# Allegro board ZC7020-PCB.brd (continued)
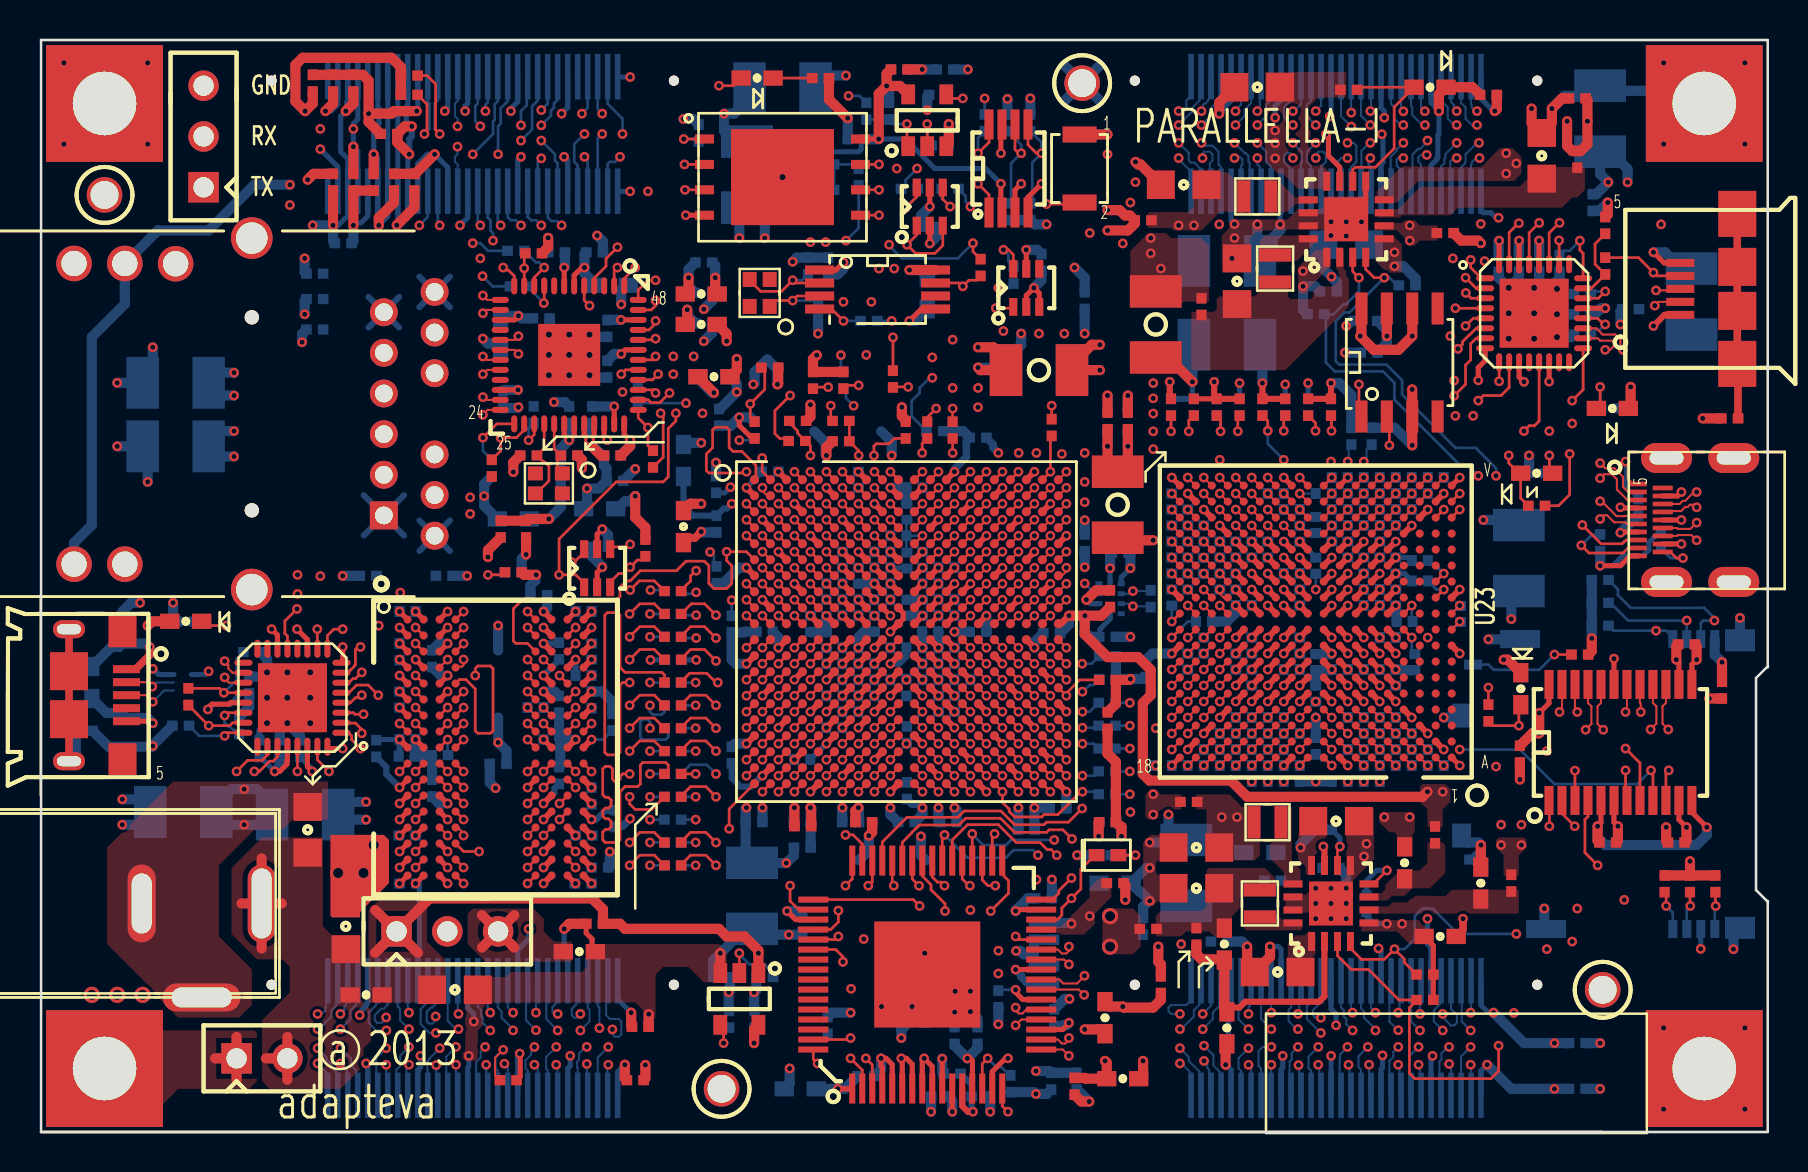
[diagram p0: board, top side]
## Routing (per net, layer and track width the routed paths; a pad name or vN(x,y) marks a point on that pad's centre or on a via; arc(x,y) is an arc through that point) (continued)
DDR_DQ16: length 21.8
  TOP w0.133: U20.M11 v1(25.99,16.43) ; U2.P1 v1(35.33,21.82)
  L10_SIG w0.108: v1(35.33,21.82) 32.44,21.82 31.96,21.34 31.3,21.34 30.81,21.82 30.25,21.82 30.17,21.73 29.33,21.73 29.09,21.5 29.09,21.17 27.95,20.02 24.06,20.02 23.93,20.15 23.93,20.32 23.8,20.45 23.44,20.45 23.31,20.32 23.31,19.07 23.17,18.92 22.91,18.92 22.79,18.8 22.79,18.29 22.91,18.16 23.8,18.16 23.93,18.03 23.93,17.02 24.12,16.83 25.58,16.83 v1(25.99,16.43)
DDR_DQ17: length 22.1
  TOP w0.133: U2.P3 v1(36.93,21.82) ; U20.M9 v1(24.39,16.43)
  L10_SIG w0.108: v1(24.39,16.43) 24.14,16.43 22.41,18.16 22.41,20.19 23.04,20.82 27.86,20.82 29.12,22.08 34.08,22.08 34.22,22.22 37.14,22.22 37.26,22.09 37.26,21.95 37.14,21.82 v1(36.93,21.82)
DDR_DQ18: length 21.7
  TOP w0.133: U2.R3 v1(36.93,21.02) ; U20.N11 v1(25.99,15.63)
  L10_SIG w0.108: v1(36.93,21.02) 36.93,21.29 36.81,21.42 35.97,21.42 35.74,21.18 35.74,20.86 35.5,20.62 32.18,20.62 32.06,20.49 32.06,19.56 31.93,19.43 31.42,19.43 31.3,19.56 31.3,20.46 31.17,20.59 30.25,20.59 30.11,20.45 30.11,19.94 29.97,19.8 28.99,19.8 27.99,18.8 26.85,18.8 26.6,18.54 26.34,18.54 26.09,18.8 25.71,18.8 25.58,18.67 25.58,18.16 25.71,18.03 26.22,18.03 26.62,17.63 27,17.63 27.19,17.44 27.19,16.34 26.77,15.92 26.34,15.92 26.24,15.82 26.18,15.82 v1(25.99,15.63)
DDR_DQ19: length 21.7
  TOP w0.133: U20.N9 v1(24.39,15.63) ; U2.R1 v1(35.33,21.02)
  L10_SIG w0.108: v1(35.33,21.02) 34.48,21.02 34.34,20.88 29.31,20.88 28.12,19.68 28.12,19.43 27.87,19.18 26.47,19.18 26.34,19.3 26.34,19.56 26.22,19.68 25.83,19.68 25.71,19.56 25.71,19.3 25.58,19.18 23.93,19.18 23.8,19.05 23.8,18.67 23.93,18.54 24.66,18.54 24.79,18.41 24.79,17.76 24.92,17.63 26.22,17.63 26.34,17.5 26.34,16.94 26.47,16.81 26.47,16.35 26.15,16.03 24.79,16.03 v1(24.39,15.63)
DDR_DQ20: length 22
  TOP w0.133: U20.R11 v1(26.79,14.03) ; U2.T4 v1(37.73,20.22)
  L10_SIG w0.108: v1(26.79,14.03) 25.83,14.03 25.71,13.9 25.71,12.96 25.83,12.83 28.12,12.83 28.25,12.96 28.25,13.08 28.37,13.21 28.76,13.21 29.31,13.77 31.17,13.77 31.3,13.89 31.3,15.11 31.42,15.24 31.8,15.24 32.62,16.05 33.71,16.05 34.34,16.69 34.34,16.94 34.57,17.17 34.83,17.17 34.98,17.02 35.23,17.02 35.36,17.14 35.36,17.28 35.73,17.65 35.73,17.82 35.74,17.83 35.74,18.08 35.87,18.22 36.12,18.22 36.13,18.22 36.38,18.22 36.53,18.38 36.53,18.62 36.54,18.63 36.54,19.58 36.77,19.82 38.03,19.82 38.14,19.93 38.14,20.46 38.03,20.57 37.86,20.57 37.73,20.45 v1(37.73,20.22)
DDR_DQ21: length 22.2
  TOP w0.133: U2.U4 v1(37.73,19.42) ; U20.T9 v1(24.39,13.23)
  L10_SIG w0.108: v1(24.39,13.23) 23.8,12.64 23.8,11.99 24.44,11.35 29.69,11.35 32.06,13.72 32.06,14.3 32.63,14.88 32.66,14.88 32.69,14.91 33.46,14.91 34.38,15.82 35.5,15.82 35.73,16.05 35.73,16.38 35.97,16.62 36.29,16.62 36.53,16.85 36.53,17.18 36.77,17.42 37.09,17.42 37.33,17.65 37.33,17.98 37.57,18.22 37.9,18.22 38.14,18.45 38.14,19.02 v1(37.73,19.42)
DDR_DQ22: length 21.8
  TOP w0.133: v1(26.79,13.23) 26.39,13.63 U20.T11 ; U2.U2 v1(36.13,19.42)
  L10_SIG w0.108: v1(36.13,19.42) 35.99,19.28 35.99,19.1 35.74,18.85 35.74,18.85 35.74,18.46 35.5,18.22 34.6,18.22 34.47,18.09 34.47,17.53 34.34,17.4 33.45,17.4 33.33,17.27 33.33,16.51 33.18,16.37 32.58,16.37 32.31,16.64 32.31,17.78 32.18,17.91 31.8,17.91 31.68,17.78 31.68,16.64 31.8,16.51 31.93,16.51 32.06,16.38 32.06,16 31.68,15.62 31.04,15.62 30.91,15.49 30.91,14.22 30.77,14.08 30.15,14.08 30.03,14.21 30.03,14.99 29.9,15.11 29.39,15.11 29.09,14.82 29.09,13.98 28.74,13.62 28.34,13.62 28.33,13.63 26.22,13.63 26.09,13.5 26.09,13.35 26.22,13.23 v1(26.79,13.23)
DDR_DQ23: length 21.8
  TOP w0.133: U2.U3 v1(36.93,19.42) ; v1(24.39,12.43) 24.39,12.43 U20.U9
  L10_SIG w0.108: v1(36.93,19.42) 37.33,19.02 37.33,18.45 37.09,18.22 36.77,18.22 36.54,17.98 36.54,17.65 36.3,17.42 35.97,17.42 35.74,17.18 35.74,16.85 35.5,16.62 34.78,16.62 33.39,15.22 32.37,15.22 31.68,14.53 31.68,13.77 30.51,12.6 30.38,12.6 30.05,12.93 29.87,12.93 29.67,12.73 29.67,12.55 29.94,12.28 29.94,12.03 29.72,11.81 29.5,11.81 29.39,11.92 29.39,12.32 29.26,12.45 29.01,12.45 28.88,12.32 28.88,11.94 28.68,11.73 25.83,11.73 25.63,11.94 24.95,11.94 24.74,11.73 24.51,11.73 24.18,12.06 24.18,12.22 v1(24.39,12.43)
DDR_DQ24: length 30.3
  TOP w0.133: U20.M2 19.19,16.83 v1(18.79,16.43) ; U2.V1 v1(35.33,18.62)
  L8_SIG w0.108: v1(18.79,16.43) 18.79,16.7 18.66,16.82 17.71,16.82 17.2,17.33 17.2,18.67 17.58,19.05 19.1,19.05 19.23,19.18 19.23,19.43 19.36,19.56 19.74,19.56 19.87,19.43 19.87,19.18 19.99,19.05 21.52,19.05 21.64,19.18 21.64,19.3 21.77,19.43 22.15,19.43 22.28,19.3 22.28,19.18 22.41,19.05 25.96,19.05 26.22,18.8 27.49,18.8 28.46,19.77 34.01,19.77 34.85,20.62 37.1,20.62 37.34,20.38 37.34,20.05 37.1,19.82 35.97,19.82 35.74,19.58 35.74,19.02 v1(35.33,18.62)
DDR_DQ25: length 30
  TOP w0.133: U20.M4 v1(21.19,16.43) ; U2.Y3 v1(36.93,17.02)
  L8_SIG w0.108: v1(36.93,17.02) 36.93,17.29 36.81,17.42 35.74,17.42 35.49,17.16 34.6,17.16 34.47,17.29 34.47,17.4 34.34,17.53 34.09,17.53 33.96,17.4 33.96,17.27 33.85,17.16 33.45,17.16 33.33,17.29 33.33,18.18 33.2,18.3 32.07,18.3 31.93,18.16 31.93,17.27 31.82,17.16 30.41,17.16 30.28,17.29 30.28,17.53 30.15,17.65 29.9,17.65 29.77,17.53 29.77,17.27 29.66,17.16 29.14,17.16 29.01,17.03 29.01,16.76 28.88,16.64 28.63,16.64 28.5,16.76 28.5,17.03 28.37,17.16 28.14,17.16 28.03,17.06 28.03,16.22 27.84,16.03 27.23,16.03 27.1,16.16 27.1,16.64 26.98,16.76 26.6,16.76 26.47,16.64 26.47,16.13 26.37,16.03 25.71,16.03 25.58,16.15 25.58,16.7 25.46,16.82 24.92,16.82 24.79,16.7 24.79,16.1 24.72,16.03 24.06,16.03 23.93,16.16 23.93,17.14 23.8,17.27 23.55,17.27 23.42,17.14 23.42,16.13 23.29,16 23.04,16 22.91,16.13 22.91,16.65 22.8,16.76 22.64,16.76 22.53,16.65 22.53,16.12 22.42,16 22.25,16 22.14,16.12 22.14,17.16 22.03,17.27 21.81,17.27 21.7,17.16 21.7,16.54 21.6,16.43 v1(21.19,16.43)
DDR_DQ26: length 30.1
  TOP w0.133: U2.W1 v1(35.33,17.82) ; U20.N2 v1(18.79,15.63)
  L8_SIG w0.108: v1(18.79,15.63) 19.06,15.63 19.18,15.5 19.18,14.48 19.31,14.35 19.49,14.35 19.61,14.48 19.61,17.65 19.36,17.91 19.36,18.16 19.48,18.29 19.86,18.29 19.99,18.16 19.99,17.78 20.14,17.63 21.83,17.63 21.94,17.74 21.94,18.16 22.06,18.29 22.46,18.29 22.59,18.16 22.59,17.74 22.69,17.63 23.12,17.63 23.23,17.74 23.23,18.16 23.36,18.29 23.75,18.29 23.88,18.16 23.88,17.74 23.99,17.63 25.58,17.63 25.71,17.76 25.71,18.03 25.83,18.16 26.09,18.16 26.22,18.03 26.22,17.76 26.34,17.63 28.88,17.63 29.01,17.76 29.01,18.53 29.14,18.65 30.91,18.65 31.06,18.5 31.06,17.63 31.17,17.53 31.42,17.53 31.55,17.65 31.55,18.53 31.68,18.65 34.34,18.65 34.47,18.53 34.47,17.95 34.89,17.53 35.1,17.53 35.33,17.76 v1(35.33,17.82)
DDR_DQ27: length 30.3
  TOP w0.133: U2.Y4 v1(37.73,17.02) ; U20.N4 v1(21.19,15.63)
  L8_SIG w0.108: v1(21.19,15.63) 21.64,15.17 21.64,14.56 21.77,14.43 21.98,14.43 22.09,14.54 22.09,15.13 22.2,15.24 22.41,15.24 22.52,15.13 22.52,14.54 22.63,14.43 22.84,14.43 22.95,14.54 22.95,15.13 23.06,15.24 23.28,15.24 23.38,15.13 23.38,14.54 23.49,14.43 25.58,14.43 25.69,14.54 25.69,14.75 25.8,14.86 26.01,14.86 26.12,14.75 26.12,14.54 26.23,14.43 27.77,14.43 28.37,15.04 28.37,15.37 28.63,15.62 28.88,15.62 29.01,15.49 29.01,15.37 29.15,15.22 30.9,15.22 31.01,15.33 31.01,15.77 31.12,15.88 31.34,15.88 31.44,15.77 31.44,15.33 31.55,15.22 31.76,15.22 31.87,15.33 31.87,16.38 32,16.51 32.18,16.51 32.3,16.38 32.3,15.33 32.41,15.22 32.96,15.22 33.19,15.46 33.19,15.79 32.9,16.07 32.9,16.21 33,16.31 33.14,16.31 33.72,15.74 34.86,15.74 34.98,15.62 34.98,14.99 35.11,14.86 35.36,14.86 35.49,14.99 35.49,15.61 35.61,15.74 37.21,15.74 37.34,15.86 37.34,16.89 37.46,17.02 v1(37.73,17.02)
DDR_DQ28: length 30.2
  TOP w0.133: U20.R2 v1(18.79,14.03) ; U2.Y2 v1(36.13,17.02)
  L8_SIG w0.108: v1(36.13,17.02) 35.73,16.62 34.4,16.62 34.04,16.26 33.71,16.26 33.33,16.64 33.33,16.89 33.06,17.16 32.45,17.16 32.06,16.76 31.25,16.76 31.14,16.66 31.14,16.29 31.03,16.18 28.7,16.18 27.75,15.23 27.23,15.23 27.1,15.36 27.1,15.62 26.98,15.75 26.6,15.75 26.47,15.62 26.47,15.36 26.34,15.23 24.18,15.23 23.72,15.7 21.84,15.7 21.52,16.02 20.14,16.02 19.99,15.88 19.99,12.45 19.48,11.94 17.71,11.94 17.45,12.19 17.45,12.7 17.58,12.83 18.98,12.83 19.18,13.03 19.18,13.9 19.06,14.03 v1(18.79,14.03)
DDR_DQ29: length 30.4
  TOP w0.133: v1(21.19,13.23) 20.79,13.63 U20.T4 ; U2.W3 v1(36.93,17.82)
  L8_SIG w0.108: v1(36.93,17.82) 37.33,18.22 38.7,18.22 38.94,17.98 38.94,17.65 39.17,17.42 39.49,17.42 39.73,17.18 39.73,16.81 39.43,16.51 39.43,15.37 38.46,14.4 37.06,14.4 35.36,12.7 35.36,12.32 34.98,11.94 31.8,11.94 31.55,12.19 31.55,13.21 31.42,13.34 31.04,13.34 30.91,13.21 30.91,11.56 30.53,11.18 26.98,11.18 26.86,11.29 23.94,11.29 22.91,12.32 22.09,12.32 v1(21.19,13.23)
DDR_DQ30: length 30.1
  TOP w0.133: U2.V2 v1(36.13,18.62) ; U20.T2 v1(18.79,13.23)
  L8_SIG w0.108: v1(36.13,18.62) 35.73,18.22 35.05,18.22 34.9,18.37 34.9,18.37 34.85,18.42 34.85,19.56 34.72,19.68 34.34,19.68 34.11,19.45 32.63,19.45 32.49,19.3 30.82,19.3 30.67,19.45 28.63,19.45 28.5,19.32 28.5,18.55 28.37,18.42 25.83,18.42 25.59,18.67 25.2,18.67 25.07,18.54 24.18,18.54 24.06,18.67 21.64,18.67 21.52,18.54 20.5,18.54 20.37,18.67 19.1,18.67 18.98,18.54 18.21,18.54 18.09,18.67 17.71,18.67 17.58,18.54 17.58,17.76 17.71,17.63 18.94,17.63 19.18,17.39 19.18,16.26 18.94,16.02 18.62,16.02 18.39,15.79 18.39,13.64 18.38,13.63 v1(18.79,13.23)
DDR_DQ31: length 30.3
  TOP w0.133: U20.U4 20.79,12.83 v1(21.19,12.43) ; U2.V3 v1(36.93,18.62)
  L8_SIG w0.108: v1(21.19,12.43) 21.67,11.94 22.79,11.94 23.93,10.79 26.6,10.79 27.23,10.16 27.99,10.16 28.37,10.54 29.9,10.54 30.28,10.16 30.91,10.16 32.18,11.43 35.11,11.43 36.63,12.95 37.52,12.95 40.53,15.97 40.53,17.18 40.29,17.42 39.97,17.42 39.73,17.66 39.73,17.98 39.49,18.22 39.17,18.22 38.93,18.46 38.93,18.88 38.79,19.02 37.34,19.02 v1(36.93,18.62)
DDR_DQS_N0: length 31.4
  TOP w0.102: U2.B2 36.37,31.82 36.13,32.05 v1(36.13,32.22) ; v1(21.19,23.63) 21.19,23.35 21.1,23.27 20.83,23.27 U20.D4
  L3_SIG w0.095: v1(21.19,23.63) 21.31,23.63 21.9,23.63 22.2,23.93 22.2,26.68 23.1,27.58 23.1,28.94 24.13,29.97 24.69,29.97 25.01,30.29 25.01,30.85 25.28,31.11 25.69,31.11 25.96,31.39 25.96,31.8 26.29,32.13 26.5,32.13 26.6,32.04 26.6,31.73 26.9,31.42 27.75,31.42 28.05,31.73 28.05,32.91 28.17,33.02 28.33,33.02 28.44,32.91 28.44,31.81 28.74,31.51 29.08,31.51 29.38,31.8 29.38,31.96 29.39,31.97 29.39,32.32 29.52,32.45 30.09,32.45 30.22,32.32 30.22,31.94 30.52,31.64 31.65,31.64 31.96,31.94 31.96,32.55 31.48,33.02 31.48,33.16 31.55,33.22 32.06,33.22 32.57,32.72 33.14,32.72 33.26,32.59 33.26,32.19 33.39,32.07 33.52,32.07 33.64,32.19 33.64,32.58 33.77,32.7 33.96,32.7 34.09,32.58 34.09,32 34.28,31.81 35.61,31.81 35.72,31.92 35.72,32.13 35.85,32.26 36.1,32.26 v1(36.13,32.22)
DDR_DQS_N1: length 19.7
  TOP w0.102: U2.F2 v1(36.13,29.02) ; v1(24.39,23.63) U20.D9
  L8_SIG w0.095: v1(24.39,23.63) 24.79,24.04 25.42,24.04 25.71,23.75 26.22,23.75 26.5,24.04 27.87,24.04 28.12,23.79 28.5,23.79 29.07,24.36 30.99,24.36 31.35,24 31.35,23.62 31.47,23.5 31.94,23.5 32.07,23.62 32.07,28.46 32.49,28.88 33,28.88 33.11,28.76 33.11,28.76 33.45,28.42 34.32,28.42 34.91,29.02 v1(36.13,29.02)
DDR_DQS_N2: length 21.8
  TOP w0.102: U2.T2 v1(36.13,20.22) ; U20.P9 v1(24.39,14.83)
  L10_SIG w0.095: v1(24.39,14.83) 24.79,14.42 27.8,14.42 28.04,14.66 28.5,14.66 28.93,15.09 28.93,15.75 29.25,16.06 30.91,16.06 31.22,16.37 31.22,17.21 30.91,17.52 29.01,17.52 28.88,17.64 28.88,18.23 29.01,18.35 34.28,18.35 34.6,18.67 34.6,18.8 34.81,19.01 35.52,19.01 35.74,19.23 35.74,19.61 36.04,19.91 36.04,20.13 v1(36.13,20.22)
DDR_DQS_N3: length 30
  TOP w0.102: v1(21.19,14.83) 21.19,14.94 20.89,15.23 U20.P4 ; U2.W4 v1(37.73,17.82)
  L8_SIG w0.095: v1(21.19,14.83) 21.11,14.83 20.96,14.67 20.96,14.44 22.42,12.97 23.19,12.97 24.18,11.98 30.03,11.98 30.15,12.1 30.15,12.45 30.03,12.57 29.01,12.57 28.76,12.83 28.76,13.69 29.15,14.08 31.93,14.08 32.23,13.78 32.23,13.08 32.44,12.88 34.34,12.88 35.05,13.59 35.05,13.84 36.44,15.23 38.39,15.23 38.62,15.45 38.62,15.62 38.49,15.75 38.28,15.75 38.14,15.88 38.14,17.78 38.02,17.91 37.82,17.91 v1(37.73,17.82)
DDR_DQS_P0: length 32
  TOP w0.102: U2.C2 v1(36.13,31.42) ; U20.D3 v1(20.39,23.63)
  L3_SIG w0.095: v1(20.39,23.63) 20.78,24.02 21.35,24.02 21.43,23.93 21.77,23.93 21.9,24.06 21.9,26.8 22.8,27.7 22.8,29.07 24.01,30.28 24.56,30.28 24.7,30.42 24.7,30.97 25.15,31.42 25.56,31.42 25.66,31.52 25.66,31.93 26.16,32.44 26.63,32.44 26.9,32.16 26.9,31.85 27.03,31.72 27.62,31.72 27.75,31.85 27.75,33.03 28.04,33.32 28.45,33.32 28.74,33.03 28.74,31.94 28.87,31.81 28.96,31.81 29.08,31.93 29.08,32.09 29.09,32.1 29.09,32.45 29.39,32.75 30.22,32.75 30.52,32.45 30.52,32.07 30.65,31.94 31.52,31.94 31.65,32.07 31.65,32.42 31.18,32.89 31.18,33.28 31.42,33.53 32.18,33.53 32.69,33.02 34.15,33.02 34.54,32.64 34.7,32.64 34.7,32.63 36.28,32.63 36.52,32.38 36.52,31.81 v1(36.13,31.42)
DDR_DQS_P1: length 20
  TOP w0.102: U2.G2 v1(36.13,28.22) ; v1(25.19,23.63) U20.D10
  L8_SIG w0.095: v1(25.19,23.63) 24.94,23.63 24.82,23.51 24.82,23.34 24.94,23.22 25.57,23.22 25.8,23.44 26.37,23.44 26.37,23.45 26.6,23.23 27.87,23.23 28.12,23.48 28.63,23.48 29.2,24.05 30.86,24.05 31.04,23.88 31.04,23.5 31.35,23.19 32.07,23.19 32.37,23.5 32.37,28.34 32.61,28.57 32.87,28.57 32.99,28.46 33.33,28.12 34.44,28.12 35.04,28.71 35.73,28.71 36.13,28.31 v1(36.13,28.22)
DDR_DQS_P2: length 21.9
  TOP w0.102: U2.R2 v1(36.13,21.02) ; v1(25.19,14.83) U20.P10
  L10_SIG w0.095: v1(25.19,14.83) 26.23,14.83 26.64,15.24 27.79,15.24 28.07,14.96 28.37,14.96 28.63,15.21 28.63,15.88 29.12,16.37 30.79,16.37 30.91,16.49 30.91,17.08 30.79,17.21 28.88,17.21 28.58,17.52 28.58,18.35 28.88,18.66 34.16,18.66 34.29,18.8 34.29,18.92 35.01,19.64 35.01,19.65 35.17,19.81 35.18,19.81 35.2,19.83 35.5,19.83 35.74,20.07 35.74,20.37 35.74,20.37 35.74,20.38 35.98,20.61 36.39,20.61 36.5,20.73 36.5,20.89 36.39,21.01 36.15,21.01 v1(36.13,21.02)
DDR_DQS_P3: length 30.3
  TOP w0.102: v1(20.39,14.83) U20.P3 ; U2.W5 v1(38.53,17.82)
  L8_SIG w0.095: v1(20.39,14.83) 20.59,14.63 20.59,14.48 20.65,14.41 20.65,14.31 22.3,12.67 23.06,12.67 24.06,11.67 30.15,11.67 30.46,11.98 30.46,12.57 30.15,12.88 29.14,12.88 29.06,12.95 29.06,13.56 29.28,13.78 31.8,13.78 31.93,13.65 31.93,12.95 32.31,12.57 34.47,12.57 35.36,13.46 35.36,13.72 36.57,14.92 38.52,14.92 38.92,15.33 38.92,17.26 38.66,17.52 38.66,17.69 v1(38.53,17.82)
DDR_ODT: length 19.6
  TOP w0.133: U20.H3 v1(20.39,20.43)
  L3_SIG w0.108: v1(30.51,14.48) 30.51,14.55 29.83,15.23 20.18,15.23 19.78,15.63 19.78,18.57 20.14,18.93 21.22,18.93 21.71,19.42 21.71,19.67 21.35,20.02 20.79,20.02 v1(20.39,20.43)
  BOTTOM w0.133: R320.2 v1(30.51,14.48)
DDR_RAS_L: length 18.3
  TOP w0.133: v1(29.49,13.34) 30,13.84 30.72,13.84 R324.2 ; U20.G4 v1(21.19,21.23)
  L10_SIG w0.108: v1(29.49,13.34) 28.15,11.99 26.22,11.99 25.37,12.83 25.02,12.83 24.79,13.06 24.79,13.42 24.57,13.63 24.21,13.63 22.03,15.8 22.03,20.38 v1(21.19,21.23)
DDR_RST_L: length 44.2
  TOP w0.133: U2.B4 v1(37.73,32.22) ; U20.H1 v1(17.99,20.43)
  L8_SIG w0.108: v1(12.88,27.86) 14.47,26.28 14.47,21.78 15.82,20.43 v1(17.99,20.43) ; v1(37.73,32.22) 37.34,32.62 36.78,32.62 36.54,32.86 36.54,33.53 36.52,33.54 36.52,34.01 35.93,34.59 v1(34.98,34.59)
  L10_SIG w0.108: v1(12.88,27.86) 13.52,28.5 20.37,28.5 22.02,30.15 23.93,30.15 25.07,31.29 30.53,31.29 31.55,32.31 33.88,32.31 34.26,32.69 34.84,32.69 34.91,32.62 37.34,32.62 v1(37.73,32.22)
  BOTTOM w0.133: R111.1 35.65,34.59 v1(34.98,34.59)
DDR_VREF: length 26.9
  TOP w0.133: v1(22.41,27.86) 23.13,27.86 R66.2 ; U2.P6 v1(39.33,21.82) ; U2.H6 v1(39.33,27.42)
  L5_SIG w0.108: v1(39.33,21.82) 39.74,22.22 39.74,27.02 v1(39.33,27.42)
  L10_SIG w0.108: v1(39.33,27.42) 38.94,27.82 34.74,27.82 34.47,27.55 31.54,27.55 30.7,26.7 29.35,26.7 29.27,26.78 23.48,26.78 v1(22.41,27.86)
  BOTTOM w0.133: v1(22.41,27.86) 23.13,27.86 R66.2
DDR_WE_L: length 18.8
  TOP w0.133: v1(29.49,14.48) 30,14.99 30.72,14.99 R322.2 ; U20.J4 v1(21.19,19.63)
  L3_SIG w0.108: v1(29.49,14.48) 27.8,14.48 27.75,14.43 19.96,14.43 19.48,14.91 19.48,18.72 19.99,19.23 20.79,19.23 v1(21.19,19.63)
DSP_FLAG: length 78.5
  TOP w0.133: R1.1 v1(72.44,22.23)
  TOP w0.305: U23.E12 v1(61.41,21.53)
  L3_SIG w0.108: v1(72.44,22.23) 71.94,22.23 71.68,21.97 68.01,21.97 67.97,21.93 64.15,21.93 63.81,21.59 v1(63.81,21.53) ; v1(55.81,20.19) 56.05,20.19 56.19,20.33 57.57,20.33 57.81,20.57 57.81,20.89 58.04,21.12 61,21.12 v1(61.41,21.53)
  L8_SIG w0.108: v1(48.19,40.06) 48.53,39.71 48.53,28.86 48.3,28.62 47.93,28.62 47.73,28.42 47.73,27.94 47.61,27.82 47.06,27.82 46.93,27.69 46.93,25.66 46.7,25.42 46.37,25.42 46.14,25.19 46.14,24.05 46.38,23.82 49.9,23.82 50.14,23.58 50.14,23.25 50.38,23.02 51.76,23.02 52.25,22.53 53.9,22.53 54.22,22.21 54.73,22.21 55.17,21.77 55.17,20.83 v1(55.81,20.19) ; v1(61.41,21.53) 61.8,21.92 63.41,21.92 v1(63.81,21.53)
  L10_SIG w0.108: v1(24.06,45.34) 24.52,45.81 28.16,45.81 28.5,45.47 30.53,45.47 31.04,44.96 33.2,44.96 33.58,45.34 36.76,45.34 39.17,42.93 40.69,42.93 41.2,42.42 41.71,42.42 42.34,41.78 44,41.78 44.88,40.89 46.15,40.89 46.79,40.26 47.3,40.26 47.5,40.06 v1(48.19,40.06)
  BOTTOM w0.133: J13.23 23.39,45.75 23.55,45.59 23.8,45.59 v1(24.06,45.34)
DSP_MVDD: length 0.6
  TOP w0.305: U23.F8 v1(65.41,22.33)
DSP_MVSS: length 0.6
  TOP w0.305: U23.F7 v1(66.21,22.33)
DSP_RESET_L: length 30.5
  TOP w0.133: U2.G14 v1(46.54,28.22)
  TOP w0.305: U23.F11 v1(62.21,22.33)
  L3_SIG w0.108: v1(62.21,22.33) 61.8,21.92 61.8,20.56 61.57,20.33 58.85,20.33 58.61,20.09 58.61,19.77 58.37,19.53 57.25,19.53 57,19.28 57,18.96 56.77,18.73 56.21,18.73 v1(55.81,18.33)
  L8_SIG w0.108: v1(55.81,18.33) 54.91,19.22 54.91,21.63 54.64,21.89 52.76,21.89 52.28,21.42 50.38,21.42 50.14,21.65 50.14,21.98 49.9,22.22 49.58,22.22 49.34,22.45 49.34,22.78 49.1,23.02 46.3,23.02 46.13,23.19 46.13,23.58 45.9,23.82 45.5,23.82 45.34,23.98 45.34,26.79 45.57,27.02 45.9,27.02 46.13,27.26 46.13,27.76 46.34,27.97 46.34,28.03 v1(46.54,28.22)
DSP_XID0: length 66.1
  TOP w0.133: R156.1 v1(56.57,35.04)
  TOP w0.305: U23.F12 v1(61.41,22.33)
  L5_SIG w0.108: v1(54.54,46.48) 53.9,46.48 53.65,46.74 51.11,46.74 50.85,46.99 48.82,46.99 48.57,47.24 48.57,47.68 48.34,47.9 46,47.9 45.77,47.68 41.2,47.68 40.57,48.31 36.12,48.31 35.44,47.62 26.09,47.62 25.47,48.24 25.47,49.18 v1(25.07,49.58) ; v1(61.41,22.33) 61.21,22.52 61.16,22.52 60.95,22.73 59.64,22.73 59.4,22.97 59.4,23.29 59.16,23.53 58.84,23.53 58.6,23.77 58.6,26.49 58.36,26.73 58.04,26.73 57.8,26.97 57.8,31.29 57.56,31.53 57.24,31.53 57,31.77 57,33.8 56.57,34.24 v1(56.57,35.04)
  L8_SIG w0.108: v1(54.54,46.48) 55.04,45.97 55.04,41.97 57.01,40.01 57.01,35.48 v1(56.57,35.04)
  BOTTOM w0.133: J13.13 25.89,48.44 25.75,48.58 25.75,48.9 v1(25.07,49.58) ; R156.1 v1(56.57,35.04)
DSP_XID1: length 67.7
  TOP w0.133: v1(63.79,35.06) 63.79,35.46 R157.1
  TOP w0.305: U23.E8 v1(65.41,21.53)
  L3_SIG w0.108: v1(63.79,35.06) 64.57,34.29 v1(64.57,33.53)
  L5_SIG w0.108: v1(64.57,33.53) 64.57,34.16 65.08,34.67 65.08,35.56 63.68,36.96 56.17,36.96 v1(55.68,37.45) ; v1(65.41,21.53) 65,21.93 65,22.49 64.77,22.72 64.45,22.72 64.21,22.96 64.21,23.14 64.19,23.16 64.19,26.95 64.2,26.96 64.2,31.1 63.81,31.5 63.81,35.05 v1(63.79,35.06)
  L10_SIG w0.108: v1(26.09,45.34) 28.12,45.34 28.37,45.09 30.37,45.09 30.88,44.58 34.47,44.58 35.94,43.1 38.28,43.1 38.81,42.57 40.54,42.57 41.05,42.06 41.6,42.06 42.26,41.4 43.87,41.4 44.77,40.5 46.07,40.5 46.07,40.47 46.66,39.88 47.04,39.88 49.08,37.85 51.11,37.85 51.87,37.08 51.87,36.58 52.38,36.07 54.54,36.07 55.3,36.83 55.3,37.07 v1(55.68,37.45)
  BOTTOM w0.133: v1(26.09,45.34) 25.87,45.55 25.58,45.55 25.39,45.74 J13.15 ; v1(63.79,35.06) 63.79,35.46 R157.1
DSP_XID2: length 69
  TOP w0.133: v1(59.91,35.04) 59.91,35.74 R158.1
  TOP w0.305: U23.F10 v1(63.01,22.33)
  L5_SIG w0.108: v1(25.07,48.69) 25.07,48.18 26.01,47.24 28.55,47.24 29.19,46.61 31.42,46.61 31.68,46.35 32.57,46.35 32.69,46.23 41.47,46.23 41.58,46.34 42.47,46.34 43.23,45.58 46.98,45.58 47.3,45.9 50.98,45.9 51.28,45.59 55.93,45.59 56.82,44.7 58.3,44.7 v1(58.98,45.39) ; v1(59.01,33.62) 59.91,34.52 v1(59.91,35.04) 60.21,34.74 60.21,26.96 60.44,26.73 60.76,26.73 61,26.49 61,24.57 61.24,24.33 61.56,24.33 61.8,24.09 61.8,23.77 62.04,23.53 62.36,23.53 62.6,23.29 62.6,22.97 63.01,22.56 v1(63.01,22.33)
  L8_SIG w0.108: v1(58.98,45.39) 59.17,45.2 59.17,35.86 58.65,35.34 58.65,33.91 58.94,33.62 v1(59.01,33.62)
  BOTTOM w0.133: v1(25.07,48.69) 24.89,48.51 J13.17 ; v1(59.91,35.04) 59.91,35.74 R158.1
DSP_XID3: length 64.8
  TOP w0.133: v1(64.59,35.06) 64.59,35.8 R159.1
  TOP w0.305: U23.E7 v1(66.21,21.53)
  L5_SIG w0.108: v1(55.68,36.69) 55.81,36.56 63.1,36.56 v1(64.59,35.06) 64.19,34.66 64.19,33.71 64.17,33.69 64.17,33.36 64.19,33.35 64.19,31.77 64.44,31.52 64.77,31.52 65,31.29 65,22.96 65.24,22.72 65.57,22.72 65.8,22.49 65.8,21.93 v1(66.21,21.53)
  L10_SIG w0.108: v1(25.07,45.34) 25.45,45.34 25.96,44.83 26.85,44.83 27.36,44.32 28.12,44.32 28.5,44.7 30.18,44.7 30.69,44.2 34.27,44.2 36.38,42.09 40.34,42.09 41.38,41.05 43.72,41.05 44.63,40.13 45.9,40.13 46.28,39.75 46.28,39.12 46.66,38.73 47.3,38.73 48.58,37.45 50.99,37.45 51.49,36.96 51.49,36.45 52.25,35.69 54.66,35.69 55.3,36.32 55.31,36.32 v1(55.68,36.69)
  BOTTOM w0.133: J13.19 24.39,45.76 24.56,45.59 24.82,45.59 v1(25.07,45.34) ; v1(64.59,35.06) 64.59,35.8 R159.1
DSP_YID0: length 73.2
  TOP w0.133: v1(59.04,35.04) 59.04,35.64 R161.1
  TOP w0.305: U23.E10 v1(63.01,21.53)
  L3_SIG w0.108: v1(54.79,47.5) 55.17,47.12 55.17,45.21 54.92,44.96 54.92,43.54 55.55,42.9 55.55,40.26 55.17,39.88 55.17,34.67 55.68,34.16 v1(55.68,34.15)
  L5_SIG w0.108: v1(55.68,34.15) 56.12,34.59 56.12,35.23 56.44,35.55 58.54,35.55 v1(59.04,35.04) 58.47,34.47 58.47,33.02 58.61,32.89 58.61,32.56 58.85,32.32 59.25,32.32 59.4,32.17 59.4,26.97 59.64,26.73 59.96,26.73 60.2,26.49 60.2,24.57 60.44,24.33 60.76,24.33 61,24.09 61,23.77 61.24,23.53 61.56,23.53 61.8,23.29 61.8,22.97 62.04,22.73 62.36,22.73 62.6,22.49 62.6,21.93 v1(63.01,21.53) ; v1(25.07,50.34) 25.77,49.65 25.77,48.46 26.22,48.01 31.8,48.01 31.93,47.88 32.57,47.88 32.69,48.01 35.18,48.01 35.99,48.82 44,48.82 44.6,48.22 48.48,48.22 48.82,47.88 50.35,47.88 51.11,47.12 54.41,47.12 v1(54.79,47.5)
  BOTTOM w0.133: v1(59.04,35.04) 59.04,35.64 R161.1 ; v1(25.07,50.34) 25.55,50.83 25.55,51.08 25.71,51.23 25.71,51.44 25.89,51.62 J13.14
DSP_YID1: length 70.9
  TOP w0.133: v1(57.46,35.04) 57.46,35.57 R162.1
  TOP w0.305: U23.E11 v1(62.21,21.53)
  L5_SIG w0.108: v1(53.39,48.9) 53.37,48.92 50.95,48.92 50.22,49.66 46.41,49.66 46.28,49.53 44.88,49.53 44.4,50.01 44.15,50.01 43.87,50.29 43.87,50.67 43.61,50.93 41.72,50.93 40.96,50.16 29.77,50.16 29.52,50.42 28.88,50.42 28.63,50.16 28.63,49.15 27.74,48.26 26.98,48.26 26.72,48.51 26.72,48.9 26.09,49.53 26.09,50.09 v1(25.07,51.1) ; v1(62.21,21.53) 61.8,21.93 61.8,22.49 61.56,22.73 61.24,22.73 61,22.97 61,23.29 60.76,23.53 59.64,23.53 59.4,23.77 59.4,26.49 59.16,26.73 58.84,26.73 58.6,26.97 58.6,31.29 58.36,31.53 58.04,31.53 57.8,31.77 57.8,34.69 v1(57.46,35.04)
  L8_SIG w0.108: v1(53.39,48.9) 54.03,48.26 54.03,46.17 54.66,45.54 54.66,41.7 56.11,40.26 56.11,37.35 56.12,37.34 56.12,34.73 56.31,34.54 56.96,34.54 v1(57.46,35.04)
  BOTTOM w0.133: v1(25.07,51.1) 25.39,51.43 J13.16 ; v1(57.46,35.04) 57.46,35.57 R162.1
DSP_YID2: length 76.5
  TOP w0.133: R163.1 61.41,35.56 v1(61.41,35.06)
  TOP w0.305: U23.E9 v1(64.61,21.53)
  L5_SIG w0.108: v1(55.68,35.93) 56.01,36.26 61.76,36.26 62.66,35.36 62.66,34.07 v1(62.21,33.62) ; v1(54.16,44.44) 53.91,44.19 53.9,44.2 52.12,44.2 51.8,44.52 47.62,44.52 47.04,43.94 41.96,43.94 40.57,45.34 33.33,45.34 33.07,45.09 31.8,45.09 30.91,45.97 28.5,45.97 27.99,46.48 25.38,46.48 23.66,48.2 23.66,49.18 v1(24.06,49.58) ; v1(61.41,35.06) 61.01,34.67 61.01,26.96 61.24,26.73 61.56,26.73 61.8,26.49 61.8,24.57 62.04,24.33 62.36,24.33 62.6,24.09 62.6,23.77 62.84,23.53 63.16,23.53 63.4,23.29 63.4,22.63 64.06,21.97 64.16,21.97 v1(64.61,21.53)
  L8_SIG w0.108: v1(55.68,35.93) 54.95,36.66 54.95,40.61 54.16,41.4 v1(54.16,44.44)
  BOTTOM w0.133: v1(62.21,33.62) 61.41,34.42 v1(61.41,35.06) 61.41,35.56 R163.1 ; v1(24.06,49.58) 24.61,50.14 24.61,51.3 24.89,51.58 J13.18
DSP_YID3: length 70.3
  TOP w0.133: R164.1 62.21,35.75 v1(62.21,35.06)
  TOP w0.305: U23.F9 v1(64.61,22.33)
  L5_SIG w0.108: v1(52.5,44.96) 52.49,44.95 43.36,44.95 43.09,45.21 41.58,45.21 40.95,45.85 33.22,45.85 32.82,45.45 31.95,45.45 31.15,46.24 28.85,46.24 28.23,46.86 25.82,46.86 24.56,48.12 24.56,49.83 v1(24.06,50.34) ; v1(55.68,35.04) 55.68,35.23 56.31,35.86 61.41,35.86 v1(62.21,35.06) 62.21,34.26 61.8,33.86 61.8,26.97 62.04,26.73 62.36,26.73 62.6,26.49 62.6,24.57 62.84,24.33 63.16,24.33 63.81,23.69 63.81,22.66 64.14,22.33 v1(64.61,22.33)
  L8_SIG w0.108: v1(55.68,35.04) 54.78,35.94 54.28,35.94 53.9,36.32 53.9,40.51 53.01,41.4 53.01,44.45 v1(52.5,44.96)
  BOTTOM w0.133: J13.20 24.34,52.72 24.34,51.34 24.06,51.05 v1(24.06,50.34) ; v1(62.21,35.06) 62.21,35.75 R164.1
ETH_MDC: length 19.9
  TOP w0.133: v1(28.88,44.25) 28.31,43.68 28.31,43.29 27.72,42.7 U9.4 ; v1(42.66,39.74) R60.2
  L10_SIG w0.108: v1(42.66,39.74) 41.76,40.64 40.87,40.64 40.44,41.07 39.8,41.07 39.6,41.27 38.15,41.27 37.95,41.07 36.76,41.07 34.01,43.81 30.46,43.81 30.03,44.25 v1(28.88,44.25)
ETH_MDIO: length 31.2